# Altium PCB PCB1.PcbDoc (part 1 of 2)
Units mm, origin at the board's own origin, x right, y up, seen from the top; angles counter-clockwise.
Board outline 132 x 80.54 mm, 2 copper layers (Top Layer, Bottom Layer); 194 components, 132 nets, 619 pads, 141 vias.
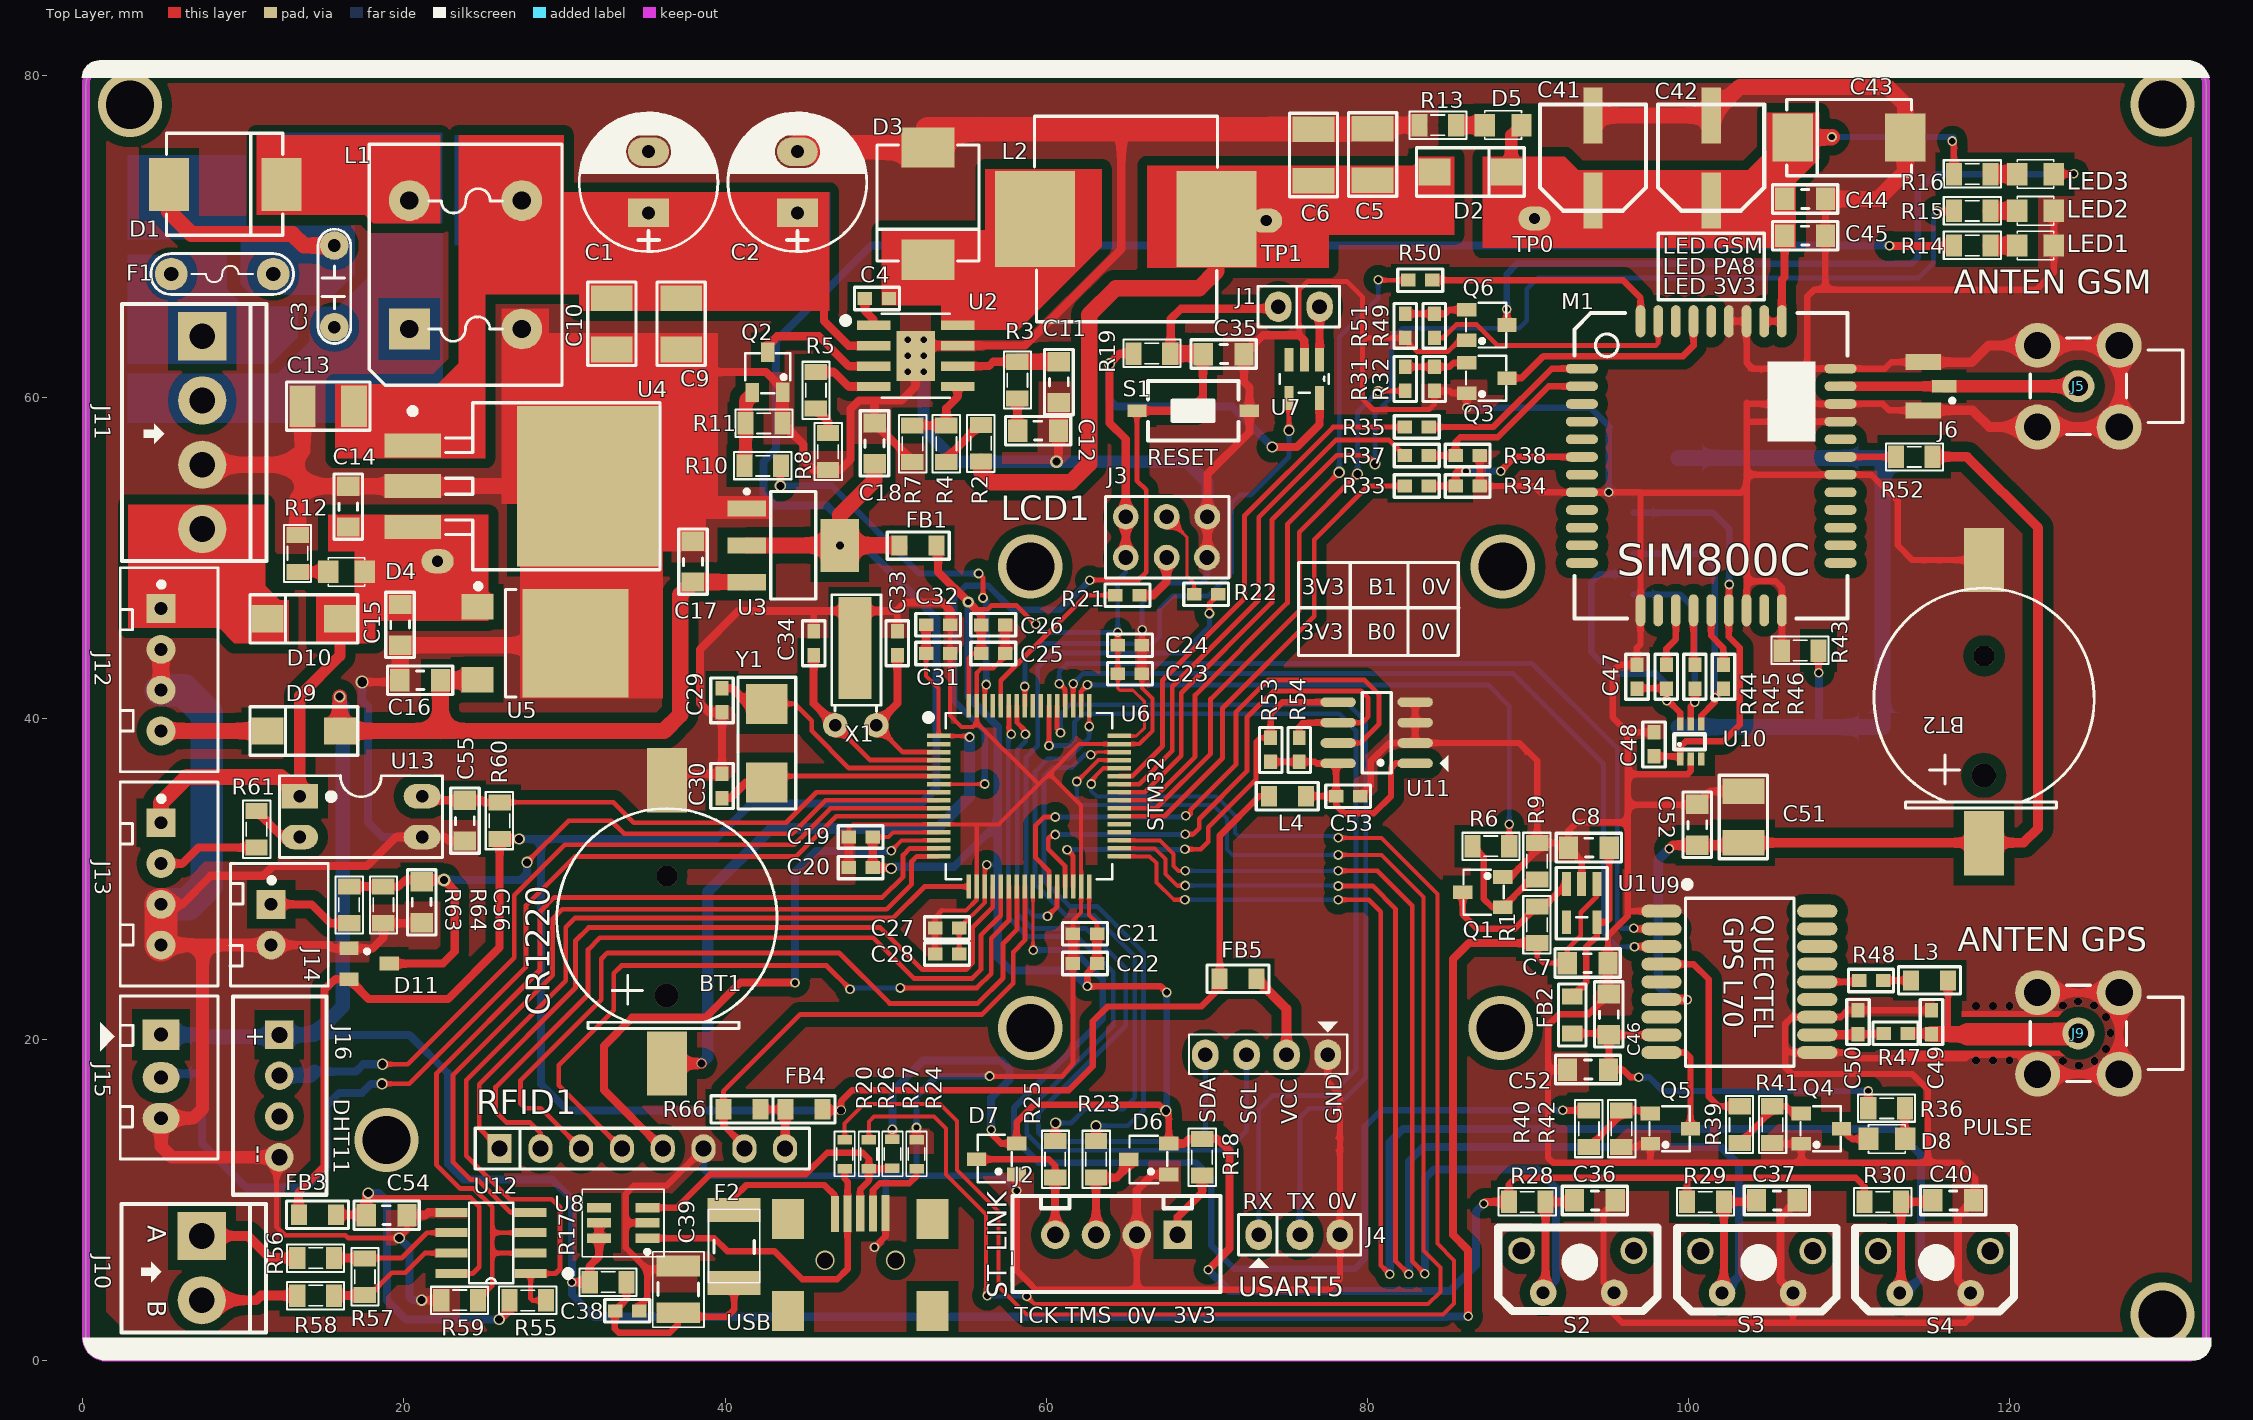
[diagram p0: Top Layer view]
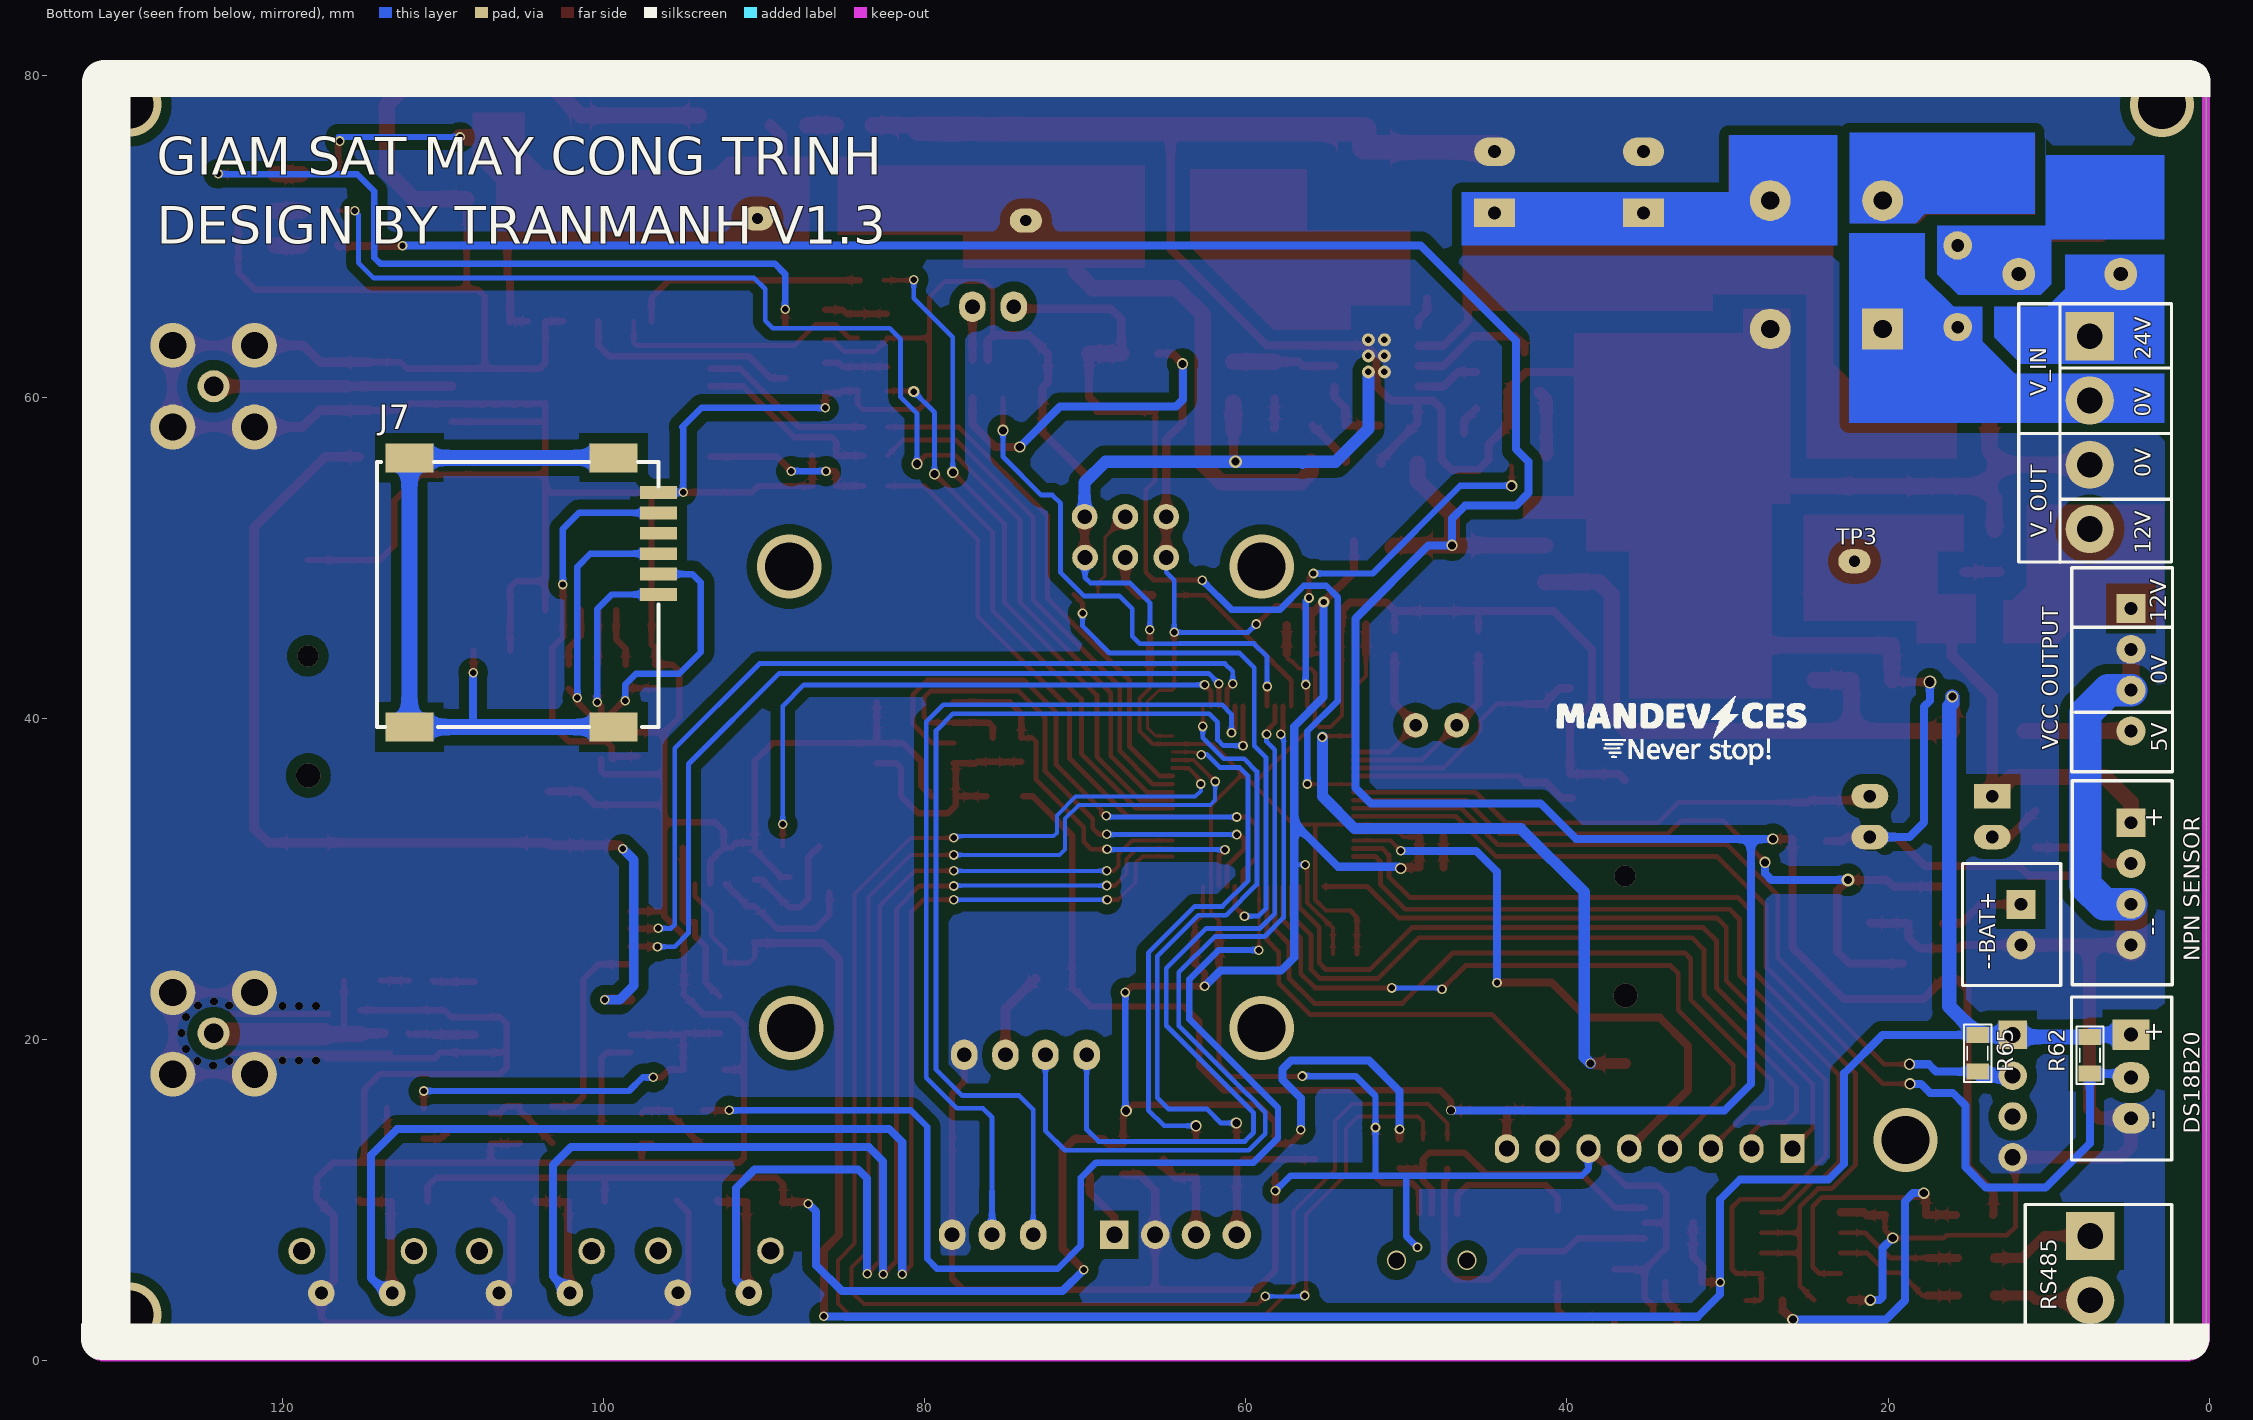
[diagram p1: Bottom Layer view, seen from below]

## Layer stack, top to bottom
Top Solder: solder mask 0.0102, Solder Resist, Dk 3.5
Top Layer: signal copper 0.0356
Dielectric 1: dielectric 0.32, FR-4, Dk 4.8
Bottom Layer: signal copper 0.0356
Bottom Solder: solder mask 0.0102, Solder Resist, Dk 3.5

## Board outline
0.203,1.473 0.203,79.477 cw(c1.473,79.477) 1.473,80.747 130.937,80.747 cw(c130.937,79.477) 132.207,79.477 132.207,1.372 cw(c131.039,1.372) 131.039,0.203 1.473,0.203 cw(c1.473,1.473)

## Design rules (kind name [scope] priority, off if disabled: settings)
Clearance [All] p1: gap=0.254 ignorepadtopadclearanceinfootprint=FALSE except(0.635: Arc-Fill Arc-Poly Arc-Region Track-Fill Track-Poly Track-Region SMDPad-Fill SMDPad-Poly SMDPad-Region THPad-Fill THPad-Poly THPad-Region Via-Fill Via-Poly Via-Region Fill-Fill Fill-Poly Fill-Region Poly-Poly Poly-Region Region-Region)
PolygonConnect [All] p1: connectstyle=Direct reliefconductorwidth=0.254 reliefentries=4 polygonreliefangle="90 Angle" airgapwidth=0.254
RoomDefinition "U_[07] RFID_LCD" [InComponentClass('U_[07] RFID_LCD')] p1: confinementstyle=ConfineIn formatcopy=TRUE lockcomponents=FALSE outline -26.873,-46.507 23.927,-46.507 23.927,-21.107 -26.873,-21.107
RoomDefinition "U_[06] IN_OUT_SENSOR" [InComponentClass('U_[06] IN_OUT_SENSOR')] p2: confinementstyle=ConfineIn formatcopy=TRUE lockcomponents=FALSE outline -26.873,-46.507 23.927,-46.507 23.927,-21.107 -26.873,-21.107
RoomDefinition "U_[05] RTC_RS232_USB" [InComponentClass('U_[05] RTC_RS232_USB')] p3: confinementstyle=ConfineIn formatcopy=TRUE lockcomponents=FALSE outline -26.873,-46.507 23.927,-46.507 23.927,-21.107 -26.873,-21.107
RoomDefinition "U_[04] EEPROM_FLASH" [InComponentClass('U_[04] EEPROM_FLASH')] p4: confinementstyle=ConfineIn formatcopy=TRUE lockcomponents=FALSE outline -26.873,-46.507 23.927,-46.507 23.927,-21.107 -26.873,-21.107
RoomDefinition "U_[03] GSM_GPRS_GPS" [InComponentClass('U_[03] GSM_GPRS_GPS')] p5: confinementstyle=ConfineIn formatcopy=TRUE lockcomponents=FALSE outline -26.873,-46.507 23.927,-46.507 23.927,-21.107 -26.873,-21.107
RoomDefinition "U_[02] MCU" [InComponentClass('U_[02] MCU')] p6: confinementstyle=ConfineIn formatcopy=TRUE lockcomponents=FALSE outline -26.873,-46.507 23.927,-46.507 23.927,-21.107 -26.873,-21.107
RoomDefinition "U_[01] Power Suppy" [InComponentClass('U_[01] Power Suppy')] p7: confinementstyle=ConfineIn formatcopy=TRUE lockcomponents=FALSE outline -26.873,-46.507 23.927,-46.507 23.927,-21.107 -26.873,-21.107
RoutingVias [All] p1: holewidth=0.4 width=0.6 viastyle="Through Hole" minholewidth=0.4 minwidth=0.6 maxholewidth=0.6 maxwidth=0.8
SolderMaskExpansion [All] p1: expansion=0.102
Width [All] p1: maxlimit=2.032 minlimit=0.2 preferedwidth=0.4
30 further rules are at their usual default settings.

## Classes and differential pairs
component class "U_[07] RFID_LCD": FB4 FB5 LCD1 R66 RFID1
component class "U_[06] IN_OUT_SENSOR": C55 C56 D9 D10 D11 J11 J12 J13 J14 J15 J16 R60 R61 R62 R63 R64 R65 U13
component class "U_[05] RTC_RS232_USB": C54 FB3 J10 R55 R56 R57 R58 R59 U12
component class "U_[04] EEPROM_FLASH": C53 L4 R53 R54 U11
component class "U_[03] GSM_GPRS_GPS": BT2 C41 C42 C43 C44 C45 C46 C47 C48 C49 C50 C51 C52 D8 FB2 J5 J6 J7 J9 L3 M1 Q3 Q4 Q5 Q6 R31 R32 R33 R34 R35 R36 R37 R38 R39 R40 R41 R42 R43 R44 R45 R46 R47 R48 R49 R50 R51 R52 U9 U10
component class "U_[02] MCU": BT1 C19 C20 C21 C22 C23 C24 C25 C26 C27 C28 C29 C30 C31 C32 C33 C34 C35 C36 C37 C38 C39 C40 D6 D7 F2 FB1 J1 J2 J3 J4 LED1 LED2 LED3 R14 R15 R16 R17 R18 R19 R20 R21 R22 R23 R24 R25 R26 R27 R28 R29 R30 S1 S2 S3 S4 U6 U7 U8 USB X1 Y1
component class "U_[01] Power Suppy": C1 C2 C3 C4 C5 C6 C7 C8 C9 C10 C11 C12 C13 C14 C15 C16 C17 C18 D1 D2 D3 D4 D5 F1 L1 L2 Q1 Q2 R1 R2 R3 R4 R5 R6 R7 R8 R9 R10 R11 R12 R13 U1 U2 U3 U4 U5

## Components (designator, comment, footprint, x,y, rotation, side; value= is the part's Value field where it differs from the comment)
BT1 "PIN 3V" "CR1220 SMD" 28.651,19.761 r0 top
BT2 "PIN 3V" "CR1220 SMD" 110.668,33.477 r0 top
C1 "100uF/100V" CP1.5/3.4 35.23,71.476 r90 top value=100uF/35V/50V
C2 "100uF/100V" CP1.5/3.4 44.501,71.476 r90 top value=100uF/35V/50V
C3 "5D330K 33V" CN2 15.672,64.364 r90 top value=0,1uF/300V
C4 "104" "C0603 SMT" 49.454,66.149 r0 top value=103
C5 "47uF" SM-1210 80.315,76.708 r270 top value=103
C6 "47uF" SM-1210 76.632,76.683 r270 top value=103
C7 "1uF" CAP_0805 93.701,24.74 r180 top value=103
C8 "1uF" CAP_0805 93.777,31.979 r0 top value=103
C9 "2.2uF/100V" SM-1210 37.262,62.967 r90 top value=103
C10 "2.2uF/100V" SM-1210 32.944,62.967 r90 top value=103
C11 "39pF" CAP_0805 60.757,60.935 r90 top value=103
C12 "6800pF" CAP_0805 59.487,57.887 r180 top value=103
C13 "2.2uF/100V" SM-1210 13.691,59.436 r0 top value=103
C14 "104" CAP_0805 16.561,53.188 r270 top value=103
C15 "10uF/25V" CAP_0805 19.736,45.822 r90 top value=103
C16 "10uF/25V" CAP_0805 21.006,42.399 r0 top value=103
C17 "10uF/16V" CAP_0805 38.024,49.759 r270 top value=103
C18 "10uF/16V" CAP_0805 49.327,57.125 r270 top value=103
C19 "1uF" "C0603 SMT" 48.438,32.614 r0 top value=103
C20 "104" "C0603 SMT" 48.438,30.709 r0 top value=103
C21 "10uF" "C0603 SMT" 62.408,26.589 r0 top value=103
C22 "104" "C0603 SMT" 62.408,24.74 r0 top value=103
C23 "10uF" "C0603 SMT" 65.202,42.78 r180 top value=103
C24 "104" "C0603 SMT" 65.202,44.558 r180 top value=103
C25 "10uF" "C0603 SMT" 56.693,44.044 r180 top value=103
C26 "104" "C0603 SMT" 56.693,45.822 r180 top value=103
C27 "10uF" "C0603 SMT" 53.823,26.944 r0 top value=103
C28 "104" "C0603 SMT" 53.823,25.324 r0 top value=103
C29 "22pF" "C0603 SMT" 39.802,41.123 r270 top value=103
C30 "22pF" "C0603 SMT" 39.802,35.789 r90 top value=103
C31 "104" "C0603 SMT" 53.264,44.044 r180 top value=103
C32 "1uF" "C0603 SMT" 53.264,45.83 r180 top value=103
C33 "10pF" "C0603 SMT" 50.724,44.679 r90 top value=103
C34 "10pF" "C0603 SMT" 45.517,44.679 r90 top value=103
C35 "1uF" CAP_0805 71.044,62.713 r0 top value=103
C36 "1uF" CAP_0805 94.158,10.008 r0 top value=103
C37 "1uF" CAP_0805 105.486,10.008 r0 top value=103
C38 "104" "C0603 SMT" 33.909,3.111 r180 top value=103
C39 "2.2uF" RES-SMD-1210 37.084,4.496 r270 top value=103
C40 "1uF" CAP_0805 116.459,10.008 r0 top value=103
C41 "470uF/6V3" C_Alu_6.3x7.7 94.031,72.243 r180 top value=10uF/50V
C42 "470uF/6V3" C_Alu_6.3x7.7 101.397,72.243 r180 top value=10uF/50V
C43 "100uF/16V" C_7343_40 106.477,76.175 r0 top value=10uF/50V
C44 "104" CAP_0805 107.239,72.365 r0 top value=103
C45 "10nF" CAP_0805 107.239,70.079 r0 top value=103
C46 "104" CAP_0805 95.047,21.565 r270 top value=103
C47 "22pF" "C0603 SMT" 96.774,42.597 r90 top value=103
C48 "104" "C0603 SMT" 97.841,38.379 r90 top value=103
C49 "NM" "C0603 SMT" 115.113,21.089 r270 top value=103
C50 "NM" "C0603 SMT" 110.541,21.089 r270 top value=103
C51 "4.uF" SM-1210 103.403,35.458 r270 top value=103
C52 "10uF" CAP_0805 93.726,18.161 r0 top value=103
C52 "104" CAP_0805 100.559,33.376 r270 top value=103
C53 "104" "C0603 SMT" 78.791,35.156 r180 top value=103
C54 "104" CAP_0805 18.923,9.042 r180 top value=103
C55 "100pF" CAP_0805 23.825,33.63 r270 top value=33p
C56 "100pF" CAP_0805 21.082,28.55 r90 top value=103
D1 "B560C-13-F" "DO-214AB SMC" 5.47,73.254 r0 top value=1N5408
D2 "B340-13-F" "DO-214AB SMA" 84.252,74.016 r0 top value=1N4007
D3 "B560C-13-F" "DO-214AB SMC" 52.629,75.455 r270 top value=1N5408
D4 "PWR_12V" LED-0805-Yellow 17.566,49.122 r180 top value="LED 3 ly Single Colour"
D5 "PWR_4V" LED-0805-Green 89.586,76.937 r180 top value="LED 3 ly Single Colour"
D6 "DIODE-BAV99" SOT23 66.376,12.542 r90 top
D7 "DIODE-BAV99" SOT23 56.901,12.542 r90 top
D8 "GPS" LED-0805-Red 113.477,13.818 r180 top value="LED 3 ly Single Colour"
D9 "B340-13-F" "DO-214AB SMA" 15.926,39.218 r180 top value=1N4007
D10 "B340-13-F" "DO-214AB SMA" 15.926,46.203 r180 top value=1N4007
D11 "DIODE-BAV99" SOT23 17.831,24.74 r270 top
F1 "RKEF300HF-ND" FUSE2 5.512,67.666 r0 top value=Fuse
F2 "F1A" RES-SMD-1812 40.564,7.391 r270 top value=Fuse
FB1 "BLM21PG600SN1D" R0805 51.994,50.775 r0 top
FB2 "BLM21PG600SN1D" R0805 92.761,21.565 r270 top
FB3 "BLM21PG600SN1D" R0805 14.598,9.104 r0 top
FB4 "BLM21PG600SN1D" R0805 44.933,15.646 r180 top
FB5 "BLM21PG600SN1D" R0805 71.907,23.8 r0 top
J1 "watdog" JP2 74.447,65.634 r0 top value="JP 2"
J2 "ST_LINK" CON_4P 68.174,7.849 r180 top
J3 "BOOT" JP3x2 67.488,51.283 r0 top value="Connector 3x2"
J4 "DEBUG" JP3 75.768,7.849 r0 top value=J3
J5 "GPS_ANTENNA" Antenna-MCX5.08-H5 124.257,60.681 r180 top
J6 "GSM" Antenna-IPEX 114.605,60.681 r90 top
J7 "SIM MICRO PUSH" MICRO_SIM_HOLDER 96.571,39.46 r90 bottom
J9 "GPS_ANTENNA" Antenna-MCX5.08-H5 124.257,20.389 r180 top
J10 "RS485" Hed2V_3.96 7.417,7.772 r270 top value="Header 2"
J11 "PWR" Hed4V_3.96 7.442,63.792 r270 top value="Header 4"
J12 "PWR OUT" CON_2.54mm_4 4.877,46.838 r270 top value="Connector 4"
J13 "NPN_SENSOR" CON_2.54mm_4 4.877,33.503 r270 top value="Connector 4"
J14 "V_IN" CON_2.54mm_2 11.735,28.423 r270 top value="Connector 2"
J15 "Header3" Header3 4.877,20.18 r270 top
J16 "DHT11" DHT11 12.243,20.295 r270 top
L1 "L" "L2 UF9.8" 20.341,64.243 r0 top value="Loc 220"
L2 "6.8uH" "L01 SMD 12*12*6" 64.948,71.095 r0 top value="150 mH"
L3 "47nH" C0805 116.143,23.681 r180 top value="150 mH"
L4 "100uH" R0805 74.981,35.167 r0 top
LCD1 "OLED 1.3" "OLED 1.3" 73.584,34.036 r180 top
LED1 "LED" LED-0805-Green 120.447,69.444 r0 top value="LED 3 ly Single Colour"
LED2 "LED" LED-0805-Yellow 120.447,71.603 r0 top value="LED 3 ly Single Colour"
LED3 "LED" LED-0805-Red 120.447,73.889 r0 top value="LED 3 ly Single Colour"
M1 "SIM800C" SIM800C 101.397,55.728 r0 top
Q1 "C1815" SOT23B 87.173,29.185 r90 top
Q2 "C1815" SOT23B 42.647,61.544 r0 top
Q3 "C1815" SOT23B 87.427,61.189 r270 top
Q4 "C1815" SOT23B 108.255,14.453 r270 top
Q5 "C1815" SOT23B 98.857,14.453 r270 top
Q6 "C1815" SOT23B 87.427,64.491 r270 top
R1 "10K" RES-SMD-0805 90.557,27.153 r270 top value=1K
R2 "22K" RES-SMD-0805 55.931,57.125 r270 top value=1K
R3 "10K" RES-SMD-0805 58.191,61.062 r90 top value=1K
R4 "22K" RES-SMD-0805 53.772,57.099 r270 top value=1K
R5 "100K" RES-SMD-0805 45.644,60.427 r90 top value=1K
R6 "1K" RES-SMD-0805 87.681,32.04 r0 top
R7 "10K" RES-SMD-0805 51.663,57.099 r90 top value=1K
R8 "100K" RES-SMD-0805 46.406,56.617 r90 top value=1K
R9 "100K" RES-SMD-0805 90.557,31.101 r270 top value=1K
R10 "4.7K" RES-SMD-0805 42.342,55.728 r180 top value=1K
R11 "47K" RES-SMD-0805 42.418,58.369 r180 top value=1K
R12 "4k7" RES-SMD-0805 13.386,50.267 r270 top value=1K
R13 "1K" RES-SMD-0805 84.379,76.937 r0 top
R14 "1K" RES-SMD-0805 117.653,69.444 r180 top
R15 "1K" RES-SMD-0805 117.653,71.603 r180 top
R16 "1K" RES-SMD-0805 117.653,73.889 r180 top
R17 "0R" RES-SMD-0805 32.715,4.902 r0 top value=1K
R18 "10R" RES-SMD-0805 69.698,12.675 r90 top value=1K
R19 "10K" RES-SMD-0805 66.573,62.713 r180 top value=1K
R20 "22R" RES-SMD-0603 47.447,12.878 r270 top value=1K
R21 "10K" "R0603 -SMT" 65.1,47.671 r0 top value=1K
R22 "10K" "R0603 -SMT" 69.901,47.727 r180 top value=1K
R23 "10R" RES-SMD-0805 63.094,12.548 r90 top value=1K
R24 "10K" RES-SMD-0603 51.918,12.878 r270 top value=1K
R25 "10R" RES-SMD-0805 60.554,12.548 r90 top value=1K
R26 "22R" RES-SMD-0603 48.946,12.878 r270 top value=1K
R27 "1k" RES-SMD-0603 50.419,12.878 r90 top value=1K
R28 "10K" RES-SMD-0805 89.941,9.895 r180 top value=1K
R29 "10K" RES-SMD-0805 101.041,9.895 r180 top value=1K
R30 "10K" RES-SMD-0805 112.077,9.895 r180 top value=1K
R31 "1K" "R0603 -SMT" 82.347,61.189 r90 top
R32 "47K" "R0603 -SMT" 84.16,61.189 r90 top value=1K
R33 "4.7K" "R0603 -SMT" 83.109,54.47 r0 top value=1K
R34 "4.7K" "R0603 -SMT" 86.182,54.47 r180 top value=1K
R35 "1K" "R0603 -SMT" 83.109,58.141 r0 top
R36 "1K" RES-SMD-0805 112.319,15.723 r180 top
R37 "1K" "R0603 -SMT" 83.109,56.363 r0 top
R38 "4.7K" "R0603 -SMT" 86.182,56.363 r180 top value=1K
R39 "1K" RES-SMD-0805 103.175,14.707 r270 top
R40 "1K" RES-SMD-0805 93.777,14.453 r270 top
R41 "100K" RES-SMD-0805 105.207,14.707 r90 top value=1K
R42 "100K" RES-SMD-0805 95.809,14.453 r90 top value=1K
R43 "1k" RES-SMD-0805 106.934,44.221 r180 top value=1K
R44 "51R" "R0603 -SMT" 98.603,42.647 r90 top value=1K
R45 "51R" "R0603 -SMT" 100.381,42.647 r90 top value=1K
R46 "51R" "R0603 -SMT" 102.159,42.647 r90 top value=1K
R47 "0R" "R0603 -SMT" 112.827,20.389 r180 top value=1K
R48 "0R" "R0603 -SMT" 111.303,23.681 r180 top value=1K
R49 "1K" "R0603 -SMT" 84.16,64.491 r90 top
R50 "1K" "R0603 -SMT" 83.236,67.285 r180 top
R51 "47K" "R0603 -SMT" 82.347,64.491 r90 top value=1K
R52 "0R" RES-SMD-0805 114.046,56.286 r0 top value=1K
R53 "10K" "R0603 -SMT" 73.965,38.088 r90 top value=1K
R54 "10K" "R0603 -SMT" 75.743,38.088 r90 top value=1K
R55 "10K" RES-SMD-0805 27.711,3.759 r180 top value=1K
R56 "0R" RES-SMD-0805 14.503,6.401 r0 top value=1K
R57 "120R" RES-SMD-0805 17.566,5.232 r90 top value=1K
R58 "0R" RES-SMD-0805 14.503,4.064 r0 top value=1K
R59 "10K" RES-SMD-0805 23.47,3.772 r0 top value=1K
R60 "10K" RES-SMD-0805 25.959,33.63 r270 top value=1K
R61 "1K" RES-SMD-0805 10.82,33.096 r90 top
R62 "4.7K" RES-SMD-0805 7.442,19.025 r90 bottom value=1K
R63 "1K 1%" RES-SMD-0805 16.586,28.386 r90 top value=1K
R64 "10K 1%" RES-SMD-0805 18.72,28.386 r90 top value=1K
R65 "4.7K" RES-SMD-0805 14.427,19.152 r90 bottom value=1K
R66 "10k" R0805 41.021,15.672 r0 top value=1K
RFID1 "RFID" "RFID RC522" 34.849,13.208 r0 top
S1 "SW-SMD" SW-SMD 69.139,59.157 r0 top
S2 "SW-SMD" "BUTTON NGHIENG" 92.71,4.496 r0 top
S3 "SW-SMD" "BUTTON NGHIENG" 103.85,4.47 r0 top
S4 "SW-SMD" "BUTTON NGHIENG" 114.91,4.47 r0 top
U1 "TLV70233DBVT" TLV70233_3.3V 94.285,29.693 r270 top
U2 "TPS54360DDA" DDA8_3P1X2P4-M 51.859,62.57 r0 top
U3 "TLV1117-33CDCYR" SOT223-4N 44.247,50.775 r0 top value=LM317
U4 "LM7812SX/NOPB" TO-263-4 20.547,54.458 r180 top value=LM7805
U5 "78M05" TO252-3L 28.88,44.679 r0 top value=LM7805
U6 "STM32F103RCT6" LQFP-64 58.917,35.154 r0 top
U7 "TPS3828" TPS3828 76.063,62.281 r270 top
U8 "SRV05" SOT23-6 33.655,8.585 r180 top
U9 "GPS L70" "GPS L70" 98.301,27.997 r0 top
U10 "SMF05C" SOT_363_6 99.477,39.649 r90 top
U11 "AT24C256" SO-8 80.569,39.104 r180 top
U12 "SN75176A" SN75176A 27.889,5.436 r180 top
U13 "PC817" DIP4/W0.3 13.513,35.154 r270 top
USB "USB" USB-B-Mini 48.412,8.839 r180 top (schematic designator USB1)
X1 "32,768 Khz" XT32kn 49.403,39.571 r90 top value=32,768khz
Y1 "8MHz" ABM7_v1_1_BIG 42.596,38.456 r90 top
